# KiCad board MyKeyboard.kicad_pcb (continued)
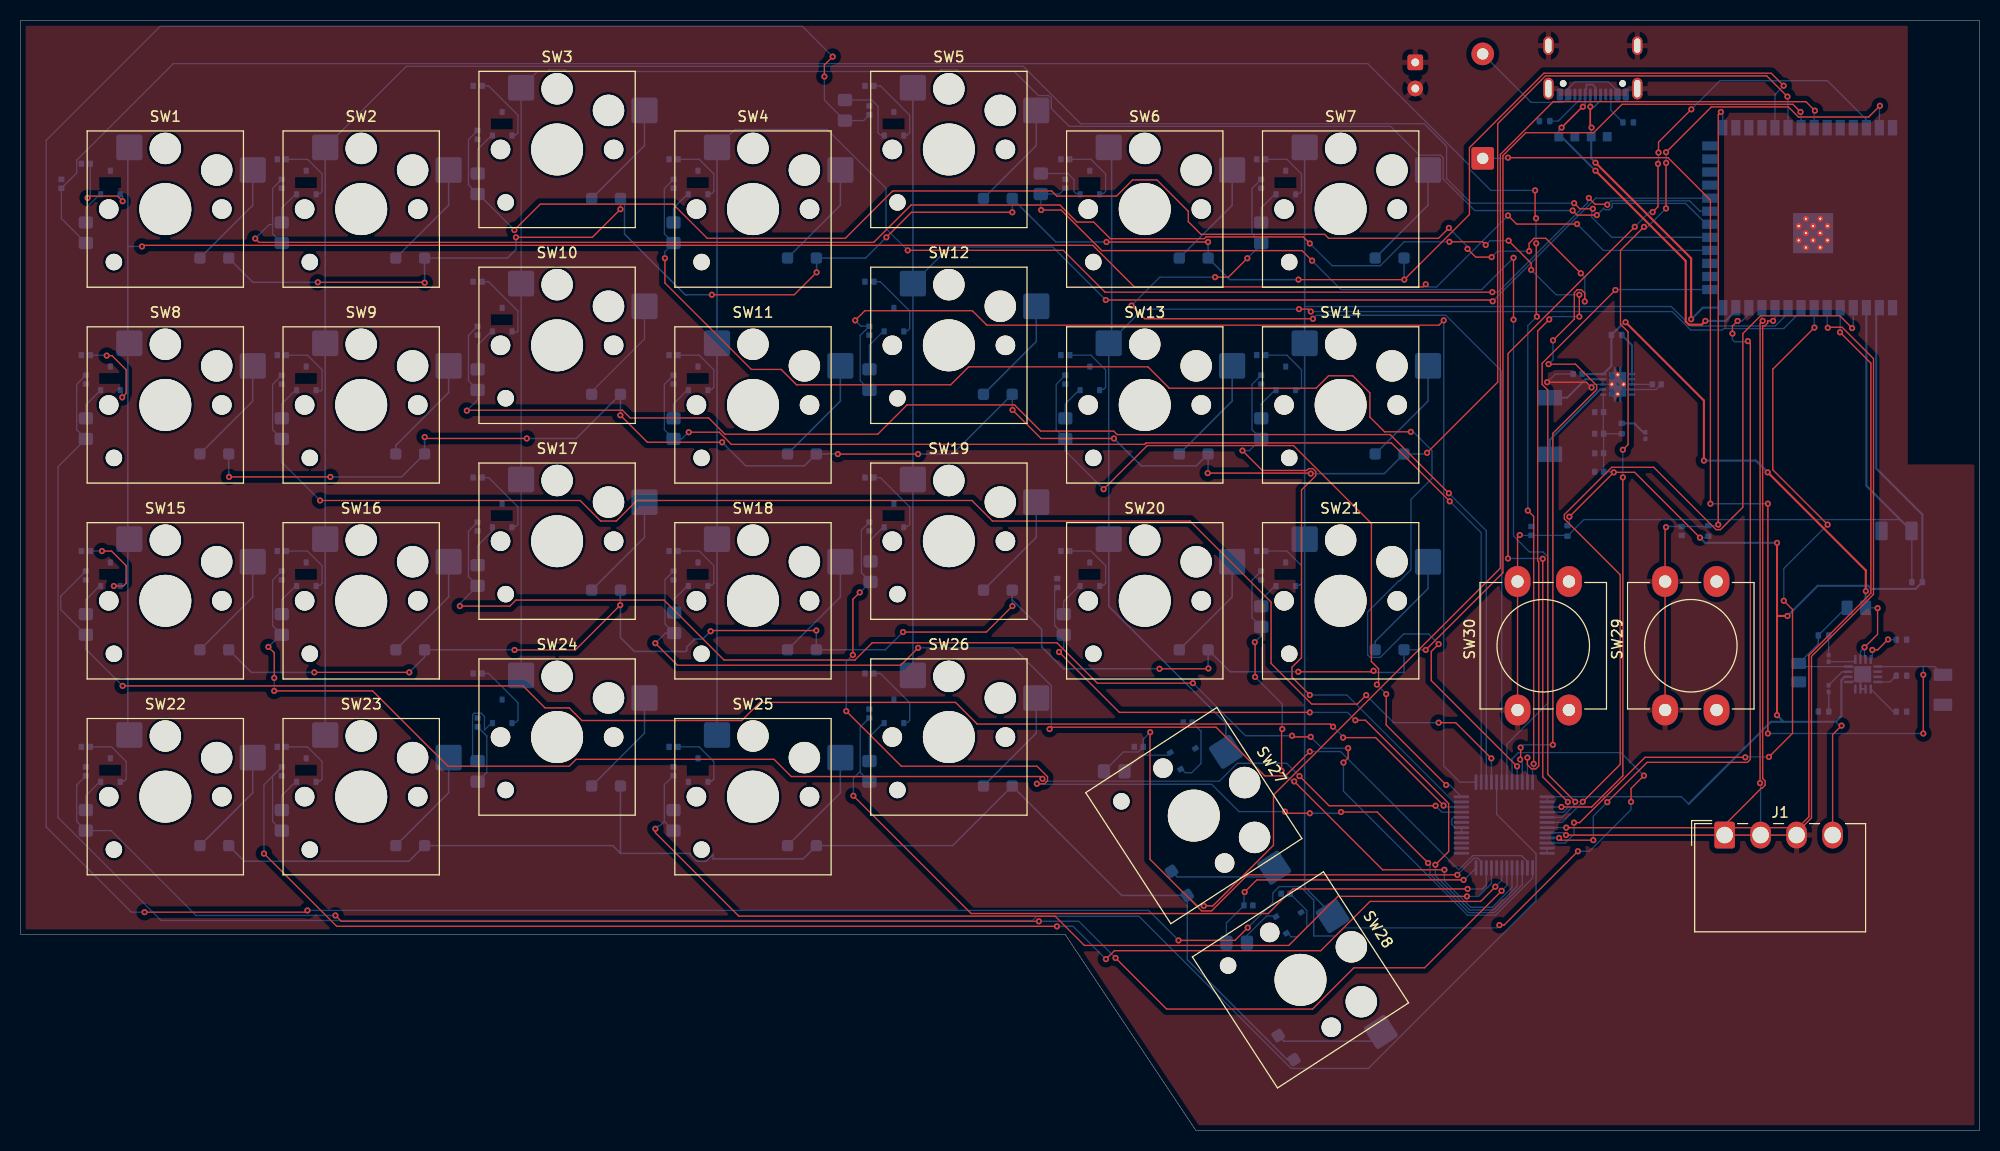
[diagram p0: board, top side]
## Routing (per net, layer and track width the routed paths; a pad name or vN(x,y) marks a point on that pad's centre or on a via; arc(x,y) is an arc through that point) (continued)
Net-(D1-A): length 10.7
  Back w0.15: D1.2 22.58,89.99 SW1.2
Net-(D2-A): length 10.7
  Back w0.15: SW2.2 41.63,89.99 D2.2
Net-(D3-A): length 10.7
  Back w0.15: D3.2 60.68,95.79 SW3.2
Net-(D4-A): length 10.7
  Back w0.15: D4.2 79.73,89.99 SW4.2
Net-(D5-A): length 10.7
  Back w0.15: D5.2 98.78,95.79 SW5.2
Net-(D6-A): length 10.7
  Back w0.15: SW6.2 117.83,89.99 D6.2
Net-(D7-A): length 10.7
  Back w0.15: D7.2 136.88,89.99 SW7.2
Net-(D8-A): length 2.7
  Back w0.2: R1.2 156.93,68.78 157.8,67.91 D8.2
Net-(D9-A): length 10.7
  Back w0.15: D9.2 22.58,70.94 SW8.2
Net-(D10-A): length 10.7
  Back w0.15: D10.2 36.49,66.62 41.63,71.76 SW9.2
Net-(D11-A): length 10.8
  Back w0.127: 55.29,71.6 60.68,76.99 SW10.2
Net-(D12-A): length 10.7
  Back w0.15: D12.2 79.73,70.94 SW11.2
Net-(D13-A): length 10.7
  Back w0.15: SW12.2 98.78,76.74 D13.2
Net-(D14-A): length 10.7
  Back w0.15: SW13.2 117.83,70.94 D14.2
Net-(D15-A): length 10.7
  Back w0.15: D15.2 136.88,70.94 SW14.2
Net-(D16-A): length 10.7
  Back w0.15: SW15.2 22.58,51.89 D16.2
Net-(D17-A): length 10.7
  Back w0.15: D17.2 41.63,51.89 SW16.2
Net-(D18-A): length 10.7
  Back w0.15: SW17.2 60.68,57.69 D18.2
Net-(D19-A): length 10.7
  Back w0.15: D19.2 79.73,51.89 SW18.2
Net-(D20-A): length 10.7
  Back w0.15: D20.2 98.78,57.69 SW19.2
Net-(D21-A): length 10.7
  Back w0.15: SW20.2 117.83,51.89 D21.2
Net-(D22-A): length 10.7
  Back w0.15: SW21.2 136.88,52.71 131.74,47.57 D22.2
Net-(D23-A): length 10.7
  Back w0.15: D23.2 22.58,32.84 SW22.2
Net-(D24-A): length 10.7
  Back w0.15: SW23.2 41.63,32.84 D24.2
Net-(D25-A): length 10.7
  Back w0.15: SW24.2 60.68,38.64 D25.2
Net-(D26-A): length 10.7
  Back w0.15: SW25.2 79.73,32.84 D26.2
Net-(D27-A): length 10.7
  Back w0.15: D27.2 98.78,38.64 SW26.2
Net-(D28-A): length 10.6
  Back w0.15: SW27.2 121.01,24.66 112.48,24.66 D28.2
Net-(D29-A): length 10.6
  Back w0.15: SW28.2 131.39,8.68 122.86,8.68 D29.2
Net-(D30-A): length 1.9
  Back w0.127: D30.2 175.85,42.64 R8.1
Net-(D30-K): length 2.5
  Back w0.127: U3.7 177.15,44.62 D30.1
Net-(D31-A): length 1.9
  Back w0.127: D31.2 175.83,48.12 R10.1
Net-(D31-K): length 2.7
  Back w0.127: D31.1 178.21,45.59 U3.9
Net-(D32-A): length 17.1
  Back w0.127: D32.2 146.91,99.99 150,99.99 150.51,100.49 J2.A4 150.51,101.33 151.17,101.99 154.42,101.99 155.31,101.11 J2.A9
Net-(J2-CC1): length 4.3
  Back w0.127: R11.1 149.53,98.17 151.66,100.3 J2.A5
Net-(J2-CC2): length 3.2
  Back w0.127: R12.1 154.66,99.21 J2.B5
Net-(T1-VOUT): length 3.4
  Back w0.127: 7.76,91.12 6.35,89.71 R13.1
Net-(T2-VOUT): length 3.4
  Back w0.127: R14.1 25.4,89.71 26.81,91.12
Net-(T3-VOUT): length 4.3
  Back w0.127: 45.86,96.84 44.45,95.43 R15.1
Net-(T4-VOUT): length 3.4
  Back w0.127: R16.1 63.5,89.71 64.91,91.12
Net-(T5-VOUT): length 6.7
  Back w0.127: 83.96,96.84 83.59,96.84 83.39,97.04 83.39,99.61 82.79,100.22 R17.1
Net-(T6-VOUT): length 5.3
  Back w0.127: 103.01,91.12 102.64,91.12 102.44,91.33 102.44,92.47 101.84,93.07 R18.1
Net-(T7-VOUT): length 3.4
  Back w0.127: R19.1 120.65,89.71 122.06,91.12
Net-(T8-VOUT): length 3.4
  Back w0.127: 7.76,72.07 7.79,72.04 7.79,72.01 6.35,70.57 R20.1
Net-(T9-VOUT): length 3.4
  Back w0.127: 26.81,72.07 25.4,70.66 R21.1
Net-(T10-VOUT): length 4.3
  Back w0.127: 45.86,77.79 44.45,76.38 R22.1
Net-(T11-VOUT): length 3.4
  Back w0.127: 64.91,72.07 63.5,70.66 R23.1
Net-(T12-VOUT): length 4.3
  Back w0.127: 83.96,77.79 82.55,76.38 R24.1
Net-(T13-VOUT): length 3.4
  Back w0.127: R25.1 101.6,70.66 103.01,72.07
Net-(T14-VOUT): length 3.4
  Back w0.127: R26.1 120.65,70.66 122.06,72.07
Net-(T15-VOUT): length 3.4
  Back w0.127: R27.1 6.35,51.61 7.76,53.02
Net-(T16-VOUT): length 3.4
  Back w0.127: R28.1 25.4,51.61 26.81,53.02
Net-(T17-VOUT): length 4.3
  Back w0.127: R29.1 44.45,56.87 45.86,58.28 45.86,58.74
Net-(T18-VOUT): length 3.2
  Back w0.127: R30.1 63.56,51.67 64.91,53.02
Net-(T19-VOUT): length 3.9
  Back w0.127: 83.96,58.74 82.66,57.44 R31.1
Net-(T20-VOUT): length 3.5
  Back w0.127: 103.01,53.02 101.45,51.46 R32.1
Net-(T21-VOUT): length 2.6
  Back w0.127: R33.1 120.65,51.61 122.06,53.02
Net-(T22-VOUT): length 3.4
  Back w0.127: 7.76,33.97 6.35,32.56 R34.1
Net-(T23-VOUT): length 3.4
  Back w0.127: R35.1 25.4,32.56 26.81,33.97
Net-(T24-VOUT): length 8.4
  Back w0.127: R36.1 43.96,36.42 43.96,40.43 44.11,40.58 44.79,40.58 45.12,40.25 45.12,38.95 45.86,39.69
Net-(T26-VOUT): length 4.3
  Back w0.127: R38.1 82.55,38.28 83.96,39.69
Net-(T27-VOUT): length 5.3
  Back w0.127: 111.85,36.81 111.54,36.5 108.94,36.5 R39.1
Net-(T28-VOUT): length 4.4
  Back w0.127: R40.1 119.27,18.96 121.17,20.85 122.14,20.85
Net-(U1-EN): length 7.2
  Back w0.127: U1.6 U1.8 C20.1
  Back w0.2: U1.6 156.72,76.37 155.72,77.37 R2.2
Net-(U1-L1): length 5.9
  Back w0.2: U1.4 152.2,73.07 150.4,71.27 L1.2
Net-(U1-L2): length 8.6
  Back w0.2: U1.2 153.62,72.07 148.72,67.17 L1.1
Net-(U3-ILIM): length 3.7
  Front w0.127: v1(181.61,47.75) 180.59,46.74 v1(180.09,46.74)
  Back w0.127: v1(180.09,46.74) 180.09,45.96 U3.12 ; v1(181.61,47.75) 181.63,47.73 R7.2
Net-(U3-ISET): length 2
  Back w0.127: U3.16 181.8,43.62 R9.2
Net-(U3-TS): length 3.4
  Back w0.127: R6.1 182.13,40.73 U3.1

## Copper pours and planes (outline as drawn; the poured copper is in the pictures)
GND on Front, Back, In1.Cu, In2.Cu: 0,108.08 0,19.05 101.73,18.8 114.17,-0.13 190.75,0.25 190.75,107.82
